# Altium PCB Science.PcbDoc (part 1 of 2) (continued)
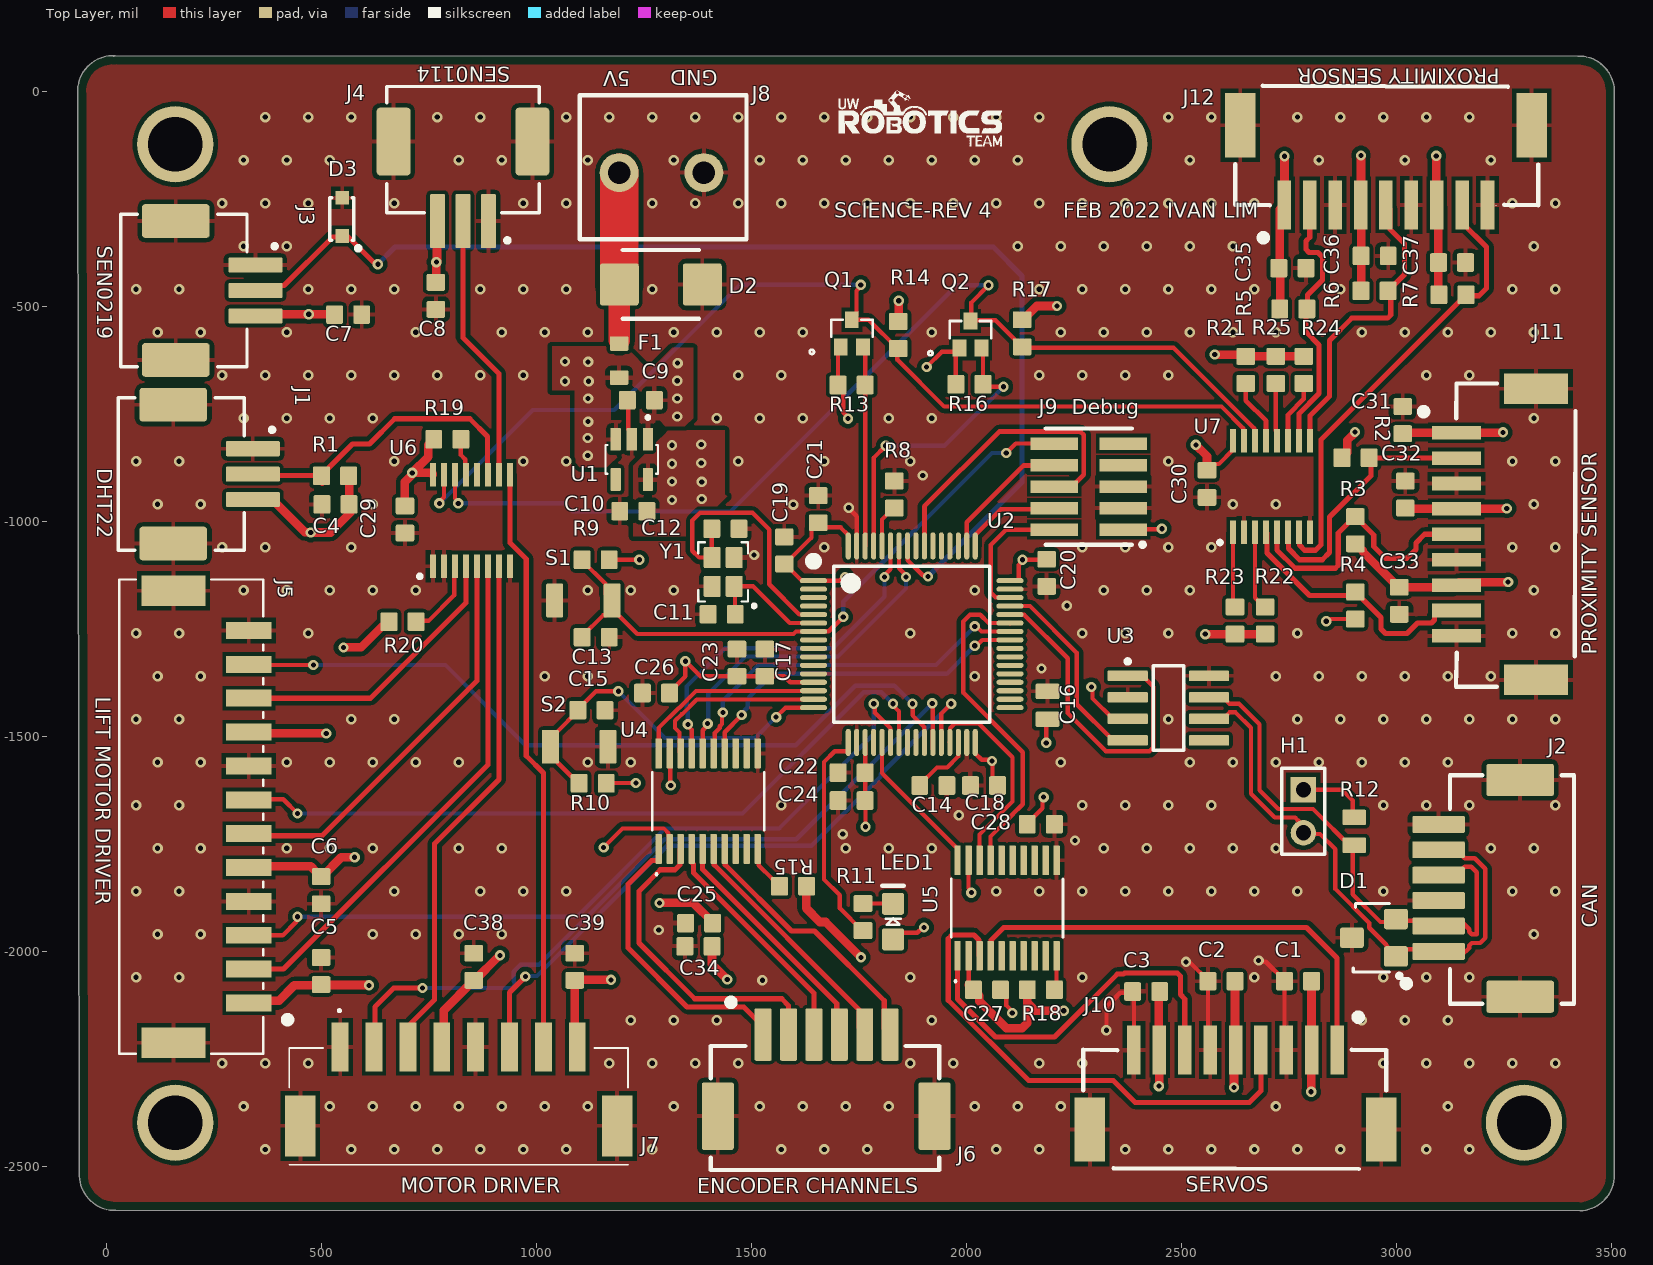
[diagram p0: Top Layer view]
## Classes and differential pairs
component class "SH5 - GPIO Expander": C29 C30 R19 R20 R21 R22 R23 R24 R25 U6 U7
component class "SH4 - Level Shifter": C25 C26 C27 C28 Q1 Q2 R13 R14 R15 R16 R17 R18 U4 U5
component class "SH3 - MCU": C11 C12 C13 C14 C15 C17 C18 C19 C20 C21 C22 C23 C24 J9 R8 R9 R10 S1 S2 U2 Y1
component class "SH1 - POWER, CAN, LED": C9 C10 C16 D2 F1 H1 J8 LED1 Power R11 R12 U1 U3
component class "SH2 - CONNECTORS": C1 C2 C3 C4 C5 C6 C7 C8 C31 C32 C33 C34 C35 C36 C37 C38 C39 D1 D3 J1 J2 J3 J4 J5 J6 J7 J10 J11 J12 R1 R2 R3 R4 R5 R6 R7
differential pair CANA: +CANA_P -CANA_N

## Components (designator, comment, footprint, x,y, rotation, side; value= is the part's Value field where it differs from the comment)
C1 "CAP_0.1uF_16V_0603" CAP0603 2771.5,-2069 r0 top value=0.1μF
C2 "CAP_0.1uF_16V_0603" CAP0603 2593.5,-2069 r0 top value=0.1μF
C3 "CAP_0.1uF_16V_0603" CAP0603 2418.5,-2093 r0 top value=0.1μF
C4 "CAP_0.1uF_16V_0603" CAP0603 533.62,-960.3 r0 top value=0.1μF
C5 "CAP_0.1uF_16V_0603" CAP0603 500,-2045.5 r270 top value=0.1μF
C6 "CAP_0.1uF_16V_0603" CAP0603 500,-1857.5 r90 top value=0.1μF
C7 "CAP_0.1uF_16V_0603" CAP0603 563,-519 r180 top value=0.1μF
C8 "CAP_0.1uF_16V_0603" CAP0603 767,-475.5 r90 top value=0.1μF
C9 "CAP_1uF_16V_0603" CAP0603 1243.5,-718 r0 top value=1μF
C10 "CAP_1uF_16V_0603" CAP0603 1226,-976 r0 top value=1μF
C11 "CAP_14pF_50V_0603" CAP0603 1431.5,-1216 r0 top value=14pF
C12 "CAP_14pF_50V_0603" CAP0603 1440,-1017 r180 top value=14pF
C13 "CAP_1uF_16V_0603" CAP0603 1138.5,-1269 r180 top value=1μF
C14 "CAP_4.7uF_16V_0603" CAP0603 1923.5,-1614 r180 top value=4.7μF
C15 "CAP_1uF_16V_0603" CAP0603 1128.5,-1439 r180 top value=1μF
C16 "CAP_0.1uF_50V_0805" CAP0805 2189,-1427.48 r90 top value=0.1μF
C17 "CAP_1uF_16V_0603" CAP0603 1532,-1328.5 r270 top value=1μF
C18 "CAP_0.1uF_16V_0603" CAP0603 2041.5,-1614 r0 top value=0.1μF
C19 "CAP_0.1uF_16V_0603" CAP0603 1577,-1067.5 r270 top value=0.1μF
C20 "CAP_0.1uF_16V_0603" CAP0603 2187,-1119.5 r90 top value=0.1μF
C21 "CAP_0.1uF_16V_0603" CAP0603 1656,-971.5 r270 top value=0.1μF
C22 "CAP_4.7uF_16V_0603" CAP0603 1733.5,-1584 r0 top value=4.7μF
C23 "CAP_10nF_0603" CAP0603 1467,-1328.5 r270 top value=10nF
C24 "CAP_0.1uF_16V_0603" CAP0603 1733.5,-1649 r0 top value=0.1μF
C25 "CAP_0.1uF_16V_0603" CAP0603 1379,-1934 r0 top value=0.1μF
C26 "CAP_0.1uF_16V_0603" CAP0603 1278.5,-1399 r180 top value=0.1μF
C27 "CAP_0.1uF_16V_0603" CAP0603 2048.5,-2089 r180 top value=0.1μF
C28 "CAP_0.1uF_16V_0603" CAP0603 2173.5,-1704 r0 top value=0.1μF
C29 "CAP_0.1uF_16V_0603" CAP0603 695,-995.5 r90 top value=0.1μF
C30 "CAP_0.1uF_16V_0603" CAP0603 2560,-912.5 r90 top value=0.1μF
C31 "CAP_0.1uF_16V_0603" CAP0603 3015,-764.5 r270 top value=0.1μF
C32 "CAP_0.1uF_16V_0603" CAP0603 3021,-937.5 r270 top value=0.1μF
C33 "CAP_0.1uF_16V_0603" CAP0603 3007,-1184.5 r90 top value=0.1μF
C34 "CAP_0.1uF_16V_0603" CAP0603 1377.46,-1988 r0 top value=0.1μF
C35 "CAP_0.1uF_16V_0603" CAP0603 2758.5,-411 r180 top value=0.1μF
C36 "CAP_0.1uF_16V_0603" CAP0603 2949.87,-382.68 r180 top value=0.1μF
C37 "CAP_0.1uF_16V_0603" CAP0603 3129.5,-398 r180 top value=0.1μF
C38 "CAP_0.1uF_16V_0603" CAP0603 855,-2035.5 r270 top value=0.1μF
C39 "CAP_0.1uF_16V_0603" CAP0603 1090,-2035.5 r270 top value=0.1μF
D1 "TVS_DIODE_CAN" TVS_DIODE_CAN 2948,-1968 r180 top
D2 "TVS_DIODE_BIDIR_5V" TVS_DIODE_BIDIR_SMB 1290,-449 r0 top
D3 "DIO_ZENER_3V3" DIO_ZENER_3V3 549,-292 r270 top
F1 "FUSE_3A_0603" FUSE_0603 1193,-626 r270 top
H1 "JUMPER" HDR1X2 2784,-1624 r270 top
J1 "CON_3M_SM_RA" MOLEX-5025850370 175,-890 r270 top
J2 "CON_6M_SM_RA_1.5mm" MOLEX-5025850670 3098.24,-1999.68 r270 top
J3 "CON_3M_SM_RA" MOLEX-5025850370 181,-463 r270 top
J4 "CON_3M_SM_RA" MOLEX-5025850370 830,-135.42 r180 top
J5 "CON_12M_SM_RA_2mm" MOLEX-5024941270 327,-2118.52 r90 top
J6 "CON_6M_SM_RA_1.5mm" MOLEX-5025850670 1527.83,-2193 r180 top
J7 "CON_8M_SM_RA" 5024430870 820,-2360 r0 top
J8 "CON_2POS_SCREW_TERM" 1935161 1291.57,-189 r180 top
J9 "CON_PROGRAMMING" FTSH-105-01-F-DV-K-P-TR 2285,-919 r90 top
J10 "CON_9M_SM_RA" Molex-5025850970 2862.52,-2229 r180 top
J11 "CON_9M_SM_RA" Molex-5025850970 3140,-793.72 r270 top
J12 "CON_9M_SM_RA" Molex-5025850970 2739.72,-264 r0 top
LED1 "LED_GREEN" LED_0805_GREEN 1830,-1930.34 r90 top
Q1 "NMOS_60V_280mA" SOT-323 1734.41,-562.5 r0 top
Q2 "NMOS_60V_280mA" SOT-323 2010,-565.5 r0 top
R1 "RES_10kΩ_0603_5%" RES0603 501,-894 r0 top value=10kΩ
R2 "RES_10kΩ_0603_5%" RES0603 2937,-852 r180 top value=10kΩ
R3 "RES_10kΩ_0603_5%" RES0603 2905,-989 r270 top value=10kΩ
R4 "RES_10kΩ_0603_5%" RES0603 2905,-1164 r270 top value=10kΩ
R5 "RES_10kΩ_0603_5%" RES0603 2792,-506 r180 top value=10kΩ
R6 "RES_10kΩ_0603_5%" RES0603 2981,-464 r180 top value=10kΩ
R7 "RES_10kΩ_0603_5%" RES0603 3161.99,-473 r180 top value=10kΩ
R8 "RES_1kΩ_0603_5%" RES0603 1833,-969 r90 top value=1kΩ
R9 "RES_10kΩ_0603_5%" RES0603 1107.01,-1089 r0 top value=10kΩ
R10 "RES_10kΩ_0603_5%" RES0603 1100,-1609 r0 top value=10kΩ
R11 "RES_100Ω_0603_1%" RES0603 1760,-1888.29 r270 top value=100Ω
R12 "RES_120Ω_0805_1%" RES0805 2902,-1720.52 r90 top value=120Ω
R13 "RES_10kΩ_0603_5%" RES0603 1765.08,-682.73 r180 top value=10kΩ
R14 "RES_10kΩ_0603_5%" RES0603 1842,-597.99 r90 top value=10kΩ
R15 "RES_10kΩ_0603_5%" RES0603 1628.99,-1848 r180 top value=10kΩ
R16 "RES_10kΩ_0603_5%" RES0603 2038.99,-681 r180 top value=10kΩ
R17 "RES_10kΩ_0603_5%" RES0603 2130,-594 r90 top value=10kΩ
R18 "RES_10kΩ_0603_5%" RES0603 2142.01,-2089 r0 top value=10kΩ
R19 "RES_10kΩ_0603_5%" RES0603 762.01,-809 r0 top value=10kΩ
R20 "RES_10kΩ_0603_5%" RES0603 658.01,-1233 r0 top value=10kΩ
R21 "RES_10kΩ_0603_5%" RES0603 2650,-616.01 r270 top value=10kΩ
R22 "RES_10kΩ_0603_5%" RES0603 2695,-1261.99 r90 top value=10kΩ
R23 "RES_10kΩ_0603_5%" RES0603 2625,-1261.99 r90 top value=10kΩ
R24 "RES_10kΩ_0603_5%" RES0603 2785,-679 r90 top value=10kΩ
R25 "RES_10kΩ_0603_5%" RES0603 2720,-679 r90 top value=10kΩ
S1 "SW_TACTILE" B3U-1000P 1110,-1184 r180 top
S2 "SW_TACTILE" B3U-1000P 1100,-1524 r180 top
U1 "LDO_3.3V_700mA" SOT95P285X140-5N 1222.4,-855.65 r270 top
U2 "STM32F446RET6" STM-LQFP64_L 1873.35,-1285.42 r0 top
U3 "IC_CAN_TRANSCEIVER" LT-S8_N 2470,-1434 r0 top
U4 "IC_LVL_SHIFTER_8_CH" LEVEL_SHIFTER_8_CHANNEL 1400.02,-1650.5 r90 top
U5 "IC_LVL_SHIFTER_8_CH" LEVEL_SHIFTER_8_CHANNEL 2095,-1899 r90 top
U6 "8 Channel I2C GPIO Expander" TSSOP16 849.57,-997.7 r0 top
U7 "8 Channel I2C GPIO Expander" TSSOP16 2710,-919 r0 top
Y1 "CRYSTAL_25MHZ" SOIC254P1016X440-4N 1434.96,-1117.46 r90 top

## Footprints (in the part's own frame and the unit in brackets; to place one, negate y for a bottom-side part, rotate by r counter-clockwise, add the part's x,y. Pads: shape width x height; smd on the part's side, far side on the other; paste and mask are expansions set on the pad)
1935161 [mm] "TERM BLK 2POS SIDE ENTRY 5MM PCB"
  round 2.3 hole 1.325: 1(-2.5,0) 2(2.5,0)
  silkscreen extent -5.01,-4.57 4.83,3.94, body extent -5.01,-5.06 5.39,3.94, height 11.41
5024430870 [mm]
  rect 1.8x3.6 smd: 0(-9.35,-1.15) 0(9.35,-1.15)
  rect 1x2.9 smd: 1(7,3.5) 2(5,3.5) 3(3,3.5) 4(1,3.5) 5(-1,3.5) 6(-3,3.5) 7(-5,3.5) 8(-7,3.5)
  silkscreen extent -10,-3.45 10,5.7, body extent -10.07,-3.45 10.07,4.85, height 7.8
B3U-1000P [mm] "TACTILE SWITCH GREY"
  rrect15% 1x2 smd: 1(-1.7,0) 2(1.7,0)
  body extent -2,-1.25 2,1.25, height 1.6
CAP0603 [mm]
  rrect20% 1x1.1 smd: 1(-0.8,0) 2(0.8,0)
  body extent -0.87,-0.48 0.88,0.48, height 0.87
CAP0805 [mm] "Chip Capacitor, Body 2.0x1.2mm, Height 0.45mm, IPC Medium Density"
  rrect15% 0.9x1.4 smd: 1(-0.825,0) 2(0.825,0)
  body extent -1.1,-0.73 1.1,0.73, height 1.39
DIO_ZENER_3V3 [mm] "DIODE ZENER 3.3V 200MW SOD323F"
  rect 0.8x0.8 smd: 1(-1.125,0) 2(1.125,0)
  silkscreen extent -1.13,-0.72 1.97,1.08, body extent -1.13,-0.62 1.37,0.63, height 0.91
FTSH-105-01-F-DV-K-P-TR [mil] "Samtec programming header 10 positions"
  rect 29x110 smd mask+2: 1(-100,-80) 2(-100,80) 3(-50,-80) 4(-50,80) 5(0,-80) 6(0,80) 7(50,-80) 8(50,80) 9(100,-80) 10(100,80)
  silkscreen extent -140,-130 135,100, body extent -125,-175 125,115, height 276
FUSE_0603 [mm] "Chip Fuse, Body 1.6x0.81mm"
  rrect15% 0.85x1.09 smd: 1(-1.005,0) 2(1.005,0)
  body extent -0.8,-0.38 0.8,0.38, height 0.75
HDR1X2 [mm] "Connector; Header; 2 Position"
  rect 1.5x1.5 hole 0.9: 1(0,0)
  round 1.5 hole 0.9: 2(2.54,0)
  silkscreen extent -1.27,-1.27 3.81,1.27, body extent -1.27,-1.27 3.81,1.27, height 6.35
LED_0805_GREEN [mm] "SMD, 2-Leads, Body 2x1.25mm"
  rrect20% 1.3x1.3 smd: 1(-1.05,0) 2(1.05,0)
  silkscreen extent -0.18,-0.63 2.11,0.64, body extent -1,-0.62 1,0.63, height 1.12
LEVEL_SHIFTER_8_CHANNEL [mm]
  rrect15% 1.75x0.38 smd: 1(-2.819,2.925) 2(-2.819,2.275) 3(-2.819,1.625) 4(-2.819,0.975) 5(-2.819,0.325) 6(-2.819,-0.325) 7(-2.819,-0.975) 8(-2.819,-1.625) 9(-2.819,-2.275) 10(-2.819,-2.925) 11(2.819,-2.925) 12(2.819,-2.275) 13(2.819,-1.625) 14(2.819,-0.975) 15(2.819,-0.325) 16(2.819,0.325) 17(2.819,0.975) 18(2.819,1.625) 19(2.819,2.275) 20(2.819,2.925)
  silkscreen extent -4.32,-3.3 1.71,3.3, body extent -3.3,-3.3 3.3,3.3, height 1.2
LT-S8_N [mm] "SOP, 8-Leads, Body 4.9x3.9mm, Pitch 1.27mm, IPC Medium Density"
  rrect20% 2.375x0.625 smd: 1(-2.4,1.905) 2(-2.4,0.635) 3(-2.4,-0.635) 4(-2.4,-1.905) 5(2.4,-1.905) 6(2.4,-0.635) 7(2.4,0.635) 8(2.4,1.905)
  silkscreen extent -2.52,-2.5 0.9,2.88, body extent -2.91,-2.4 2.87,2.5, height 1.45
MOLEX-5024941270 [mm]
  rect 1.8x3.8 smd paste+0 mask+0.076: 0(-2.379,4.323) 0(24.321,4.323)
  rect 1x2.7 smd paste+0 mask+0.076: 1(-0.029,-0.127) 2(1.971,-0.127) 3(3.971,-0.127) 4(5.971,-0.127) 5(7.971,-0.127) 6(9.971,-0.127) 7(11.971,-0.127) 8(13.971,-0.127) 9(15.971,-0.127) 10(17.971,-0.127) 11(19.971,-0.127) 12(21.971,-0.127)
  silkscreen extent -3.03,-2.61 24.97,7.52, body extent -3,-0.9 25,7.6, height 6.76
MOLEX-5025850370 [mm]
  rrect20% 2x4 smd paste+0 mask+0: 0(-4.1,-0.475) 0(4.1,-0.475)
  rrect20% 0.9x3.2 smd paste+0 mask+0: 1(-1.5,4.225) 2(0,4.225) 3(1.5,4.225)
  silkscreen extent -4.5,-3.72 4.5,5.48, body extent -4.4,-3.67 4.4,4.83, height 6.4
MOLEX-5025850670 [mm]
  rrect15% 1.9x4 smd: 0(-10.125,4.82) 0(2.675,4.82)
  rrect15% 1x3.1 smd: 1(0,0) 2(-1.5,0) 3(-3,0) 4(-4.5,0) 5(-6,0) 6(-7.5,0)
  silkscreen extent -10.4,-2.1 3.1,8, body extent -10.25,-0.62 3.05,7.88, height 6.41
Molex-5025850970 [mm]
  rect 1.8x3.8 smd: 0(-2.6,4.7) 0(14.6,4.7)
  rect 0.8x2.9 smd: 1(0,0) 2(1.5,0) 3(3,0) 4(4.5,0) 5(6,0) 6(7.5,0) 7(9,0) 8(10.5,0) 9(12,0)
  silkscreen extent -2.9,-2.14 15,7.03, body extent -2.9,-1.26 14.9,7.24, height 5.8
RES0603 [mm] "Chip Resistor, Body 1.6x0.8mm, IPC Medium Density"
  rrect15% 1x1.1 smd: 1(0,0) 2(1.6,0)
  body extent 0,-0.4 1.6,0.4, height 0.46
RES0805 [mm] "Chip Resistor, 2-Leads, Body 2.00x1.25mm, IPC High Density"
  rrect15% 0.9x1.4 smd: 1(-0.825,0) 2(0.825,0)
  body extent -1,-0.62 1,0.63, height 0.61
SOIC254P1016X440-4N [mm]
  rrect15% 1.25x1 smd: 1(-0.85,-0.65) 2(0.85,-0.65) 3(0.85,0.65) 4(-0.85,0.65)
  silkscreen extent -2.11,-1.93 1.75,1.47, body extent -1.24,-0.85 1.24,0.85, height 0.56
SOT95P285X140-5N [mm] "AP2112K-3.3TRG1 LDO"
  rrect15% 1.35x0.6 smd: 1(-1.185,0.95) 2(-1.185,0) 3(-1.185,-0.95) 4(1.185,-0.95) 5(1.185,0.95)
  silkscreen extent -2.57,-1.55 0.85,1.55, body extent -1.4,-1.5 1.4,1.5, height 1.4
SOT-323 [mm]
  rect 0.8x1 smd paste+0 mask+0.1: 1(-0.65,-0.8) 2(0.65,-0.8) 3(0,0.8)
  silkscreen extent -2.5,-1.23 1.23,0.8, body extent -1.1,-1.1 1.1,1.1, height 1
STM-LQFP64_L [mm] "QFP, 64-Leads, Body 10x10mm, Pitch 0.5mm, IPC High Density"
  oval 1.6x0.3 smd: 1(-5.8,3.75) 2(-5.8,3.25) 3(-5.8,2.75) 4(-5.8,2.25) 5(-5.8,1.75) 6(-5.8,1.25) 7(-5.8,0.75) 8(-5.8,0.25) 9(-5.8,-0.25) 10(-5.8,-0.75) 11(-5.8,-1.25) 12(-5.8,-1.75) 13(-5.8,-2.25) 14(-5.8,-2.75) 15(-5.8,-3.25) 16(-5.8,-3.75) 33(5.8,-3.75) 34(5.8,-3.25) 35(5.8,-2.75) 36(5.8,-2.25) 37(5.8,-1.75) 38(5.8,-1.25) 39(5.8,-0.75) 40(5.8,-0.25) 41(5.8,0.25) 42(5.8,0.75) 43(5.8,1.25) 44(5.8,1.75) 45(5.8,2.25) 46(5.8,2.75) 47(5.8,3.25) 48(5.8,3.75)
  oval 0.3x1.6 smd: 17(-3.75,-5.8) 18(-3.25,-5.8) 19(-2.75,-5.8) 20(-2.25,-5.8) 21(-1.75,-5.8) 22(-1.25,-5.8) 23(-0.75,-5.8) 24(-0.25,-5.8) 25(0.25,-5.8) 26(0.75,-5.8) 27(1.25,-5.8) 28(1.75,-5.8) 29(2.25,-5.8) 30(2.75,-5.8) 31(3.25,-5.8) 32(3.75,-5.8) 49(3.75,5.8) 50(3.25,5.8) 51(2.75,5.8) 52(2.25,5.8) 53(1.75,5.8) 54(1.25,5.8) 55(0.75,5.8) 56(0.25,5.8) 57(-0.25,5.8) 58(-0.75,5.8) 59(-1.25,5.8) 60(-1.75,5.8) 61(-2.25,5.8) 62(-2.75,5.8) 63(-3.25,5.8) 64(-3.75,5.8)
  silkscreen extent -5.92,-4.6 4.6,5.02, body extent -5.98,-6 6.02,6, height 1.56
TSSOP16 [mm]
  rect 0.35x1.4 smd: 1(-2.275,-2.7) 2(-1.625,-2.7) 3(-0.975,-2.7) 4(-0.325,-2.7) 5(0.325,-2.7) 6(0.975,-2.7) 7(1.625,-2.7) 8(2.275,-2.7) 9(2.275,2.7) 10(1.625,2.7) 11(0.975,2.7) 12(0.325,2.7) 13(-0.325,2.7) 14(-0.975,2.7) 15(-1.625,2.7) 16(-2.275,2.7)
  silkscreen extent -3.15,-3.4 -2.95,-3.2, body extent -2.5,-3.2 2.5,3.2, height 1.1
TVS_DIODE_BIDIR_SMB [mm] "DO-214AA, SMB"
  rrect15% 2.3x2.5 smd: 1(-2.45,0) 2(2.45,0)
  silkscreen extent -2.25,-2.03 2.25,2.03, body extent -2.7,-1.8 2.7,1.8, height 2.27
TVS_DIODE_CAN [mm] "SOT23, 3-Leads, Body 2.95x2.80mm, Pitch 0.95mm, IPC Low Density"
  rrect20% 1.4x1.2 smd: 1(-1.3,1.1) 2(-1.3,-1.1) 3(1.3,0)
  silkscreen extent -1.63,-2.02 1.22,2.37, body extent -1.4,-1.45 1.4,1.45, height 1.3

## Part data
C1 C2 C3 C4 C5 C6 C7 C8 C18 C19 C20 C21 C24 C25 C26 C27 C28 C29 C30 C31 C32 C33 C34 C35 C36 C37 C38 C39: "CAP CER 0.1UF 16V X7R 0603", Dielectric=X7R, Manufacturer 1=Yageo, Manufacturer Part Number 1=CC0603KRX7R7BB104, Package=0603, Supplier Part Number 1=311-1088-1-ND, Voltage Rating=16V, Supplier 1=Digi-Key
C9 C10 C13 C15 C17: "CAP CER 1UF 16V Y5V 0603", Dielectric=Y5V, Manufacturer 1=Yageo, Manufacturer Part Number 1=CC0603ZRY5V7BB105, Package=0603, Supplier Part Number 1=311-1372-1-ND, Voltage Rating=16V, Mounting Type=SMD, Supplier 1=Digi-Key
C11 C12: "CAP CER 14PF 50V C0G/NP0 0603", Dielectric=C0G, Manufacturer 1=Samsung, Manufacturer Part Number 1=CL10C140JB8NNNC, Package=0603, Supplier Part Number 1=1276-2187-1-ND, Voltage Rating=50V, Mounting Type=SMD, Supplier 1=Digi-Key
C14 C22: "CAP CER 4.7UF 16V X6S 0603", Dielectric=X6S, Manufacturer 1="Murata Electronics", Manufacturer Part Number 1=GRM188C81C475KE11D, Package=0603, Supplier Part Number 1=490-13362-1-ND, Voltage Rating=16V, Mounting Type=SMD, Supplier 1=Digi-Key
C16: "CAP CER 0.1UF 50V X7R 0805", Dielectric=X7R, LCSC Part #=C49678, Manufacturer 1="Murata Electronics", Manufacturer Part Number 1=GCM21BR71H104KA37K, Package/Footprint=0805, Supplier Part Number 1=490-8049-1-ND, Voltage Rating=50V, Mounting Type=SMD, Supplier 1=Digi-Key
C23: "CAP CER 10000PF 16V X7R 0603", Dielectric=X7R, Manufacturer 1=Yageo, Manufacturer Part Number 1=CC0603KRX7R7BB103, Package/Footprint=0603, Supplier Part Number 1=311-3369-1-ND, Voltage Rating=16V, Mounting Type=SMD, Supplier 1=Digi-Key
D1: "TVS DIODE 24V 41V SOT323-3", Manufacturer 1="Nexperia USA Inc.", Manufacturer Part Number 1=PESD2CAN,215, Package/Footprint=SOT323-3, Supplier Part Number 1=1727-3891-1-ND, Voltage - Breakdown (Min)=26.2V, Voltage - Clamping (Max) @ Ipp=41V, Voltage - Reverse Standoff (Typ)=24V, Mounting Type=SMD, Supplier 1=Digi-Key, Verified=Yes
D2: "TVS DIODE 5V 9.2V SMB", Manufacturer 1=Littelfuse, Manufacturer Part Number 1=SMBJ5.0CA, Package/Footprint=SMB, Supplier Part Number 1=SMBJ5.0CALFCT-ND, Voltage - Breakdown (Min)=6.4V, Voltage - Clamping (Max) @ Ipp=9.2V, Voltage - Reverse Standoff (Typ)=5V, Mounting Type=SMD, Supplier 1=Digi-Key, Verified=No
D3: "DIODE ZENER 3.3V 200mW SOD323F", Forward Voltage=1V, Manufacturer 1="ON Semiconductor / Fairchild", Manufacturer Part Number 1=MM3Z3V3B, Package/Case=SOD323F, Supplier Part Number 1=MM3Z3V3BCT-ND, Working Voltage=3.3V, Supplier 1=Digi-Key
F1: "FUSE SMD 3A 32V 0603", Current Rating=3A, Manufacturer 1=Littelfuse, Manufacturer Part Number 1=0467003.NR, Supplier Part Number 1=F1399CT-ND, Voltage Rating (DC)=32V, Supplier 1=Digi-Key
H1: "HEADER 2X1", Manufacturer 1="Harwin Inc.", Manufacturer Part Number 1=M20-9990246, Package/Footprint=TH, Supplier Part Number 1=952-2262-ND, Mounting Type=TH, Supplier 1=Digi-Key
J1 J3 J4: "CONN RCPT 3POS 0.059 TIN SMD R/A", Current Rating=2A, Manufacturer 1=Molex, Manufacturer Part Number 1=5025850370, Package/Footprint=SMD, Supplier Part Number 1=WM12831CT-ND, Voltage Rating=100V, Family=CLIK-Mate, Mounting Type=SMD, Orientation="Right Angle", Pitch=1.5mm, Supplier 1=Digi-Key
J2 J6: "CONN HEADER SMD RIGHT ANGLE 1.5 MM PITCH", Manufacturer 1=Molex, Manufacturer Part Number 1=5025850670, Package/Footprint=SMD, Supplier Part Number 1=WM12832CT-ND, Family=CLIK-Mate, Mounting Type=SMD, Supplier 1=Digi-Key
J5: "2.00mm Pitch CLIK-Mate Wire-to-Board PCB Receptacle, Single Row, Right-Angle, 12 Circuits", Color=Natural,White, Contact Resistance=20mR, Current Rating=3A, Flammability Rating="UL94 V-0", Housing Color=Natural, Insulation Resistance=1GR, Manufacturer=Molex, Manufacturer Part Number=502494-1270, Max Operating Temperature=85°C, Max Voltage Rating (AC)=250V, Min Operating Temperature=-25°C, Package Quantity=950, Category="Headers and Wire Housings", Connector Type=Receptacle, Contact Gender=Female, Contact Material="Copper Alloy", Contact Plating=Tin, Contact Type="Center Strip Contact", Depth=6.85mm, Family=CLIK-Mate, Fastening Type=Latch, Gender=Receptacle, Glow Wire Compliant=Non-compliant, Housing Material=PBT, Lead Pitch=2mm, Length=28mm, Material=Polybutylene, Mating Cycles=30, Max Voltage Rating (DC)=250V, Mount="Surface Mount", Number of Circuits=12, Number of Contacts=12, Number of Positions=12, Number of Rows=1, Orientation="Right Angle", Packaging="Tape and Reel", Pitch=2mm, Pricing 1="950=0.62780, 1900=0.61060, 3800=0.56580, 5700=0.53600, 7600=0.52000 (USD)", Radiation Hardening=No, REACH SVHC=Unknown, RoHS=Yes, Series=502494, Stock 1=1900, Supplier 1=Mouser, Supplier Part Number 1=502494-1270, Termination=Solder, Voltage Rating (AC)=250V
J7: library part CON_8M_SM, "CONN HEADER SMD VERTICAL 2 MM PITCH", Current Rating=3A, Package/Footprint=SMD, Supplier Part Number 1=WM14471CT-ND, Voltage Rating=250V, Family=CLIK-Mate, Mounting Type=SMD, Orientation="Right Angle", Pitch=1.5mm, Supplier 1=Digi-Key
J8: "TERM BLK 2POS SIDE ENTRY 5MM", Manufacturer 1="Phoenix Contact", Manufacturer Part Number 1=1935161, Package/Footprint=SMD, Supplier Part Number 1=277-1667-ND, Mounting Type=TH, Supplier 1=Digi-Key
J9: "CONN HEADER SMD 10POS 1.27MM", Manufacturer 1=Samtec, Manufacturer Part Number 1=FTSH-105-01-F-DV-K, Supplier Part Number 1=SAM8796-ND, Mounting Type=SMD, Pitch=1.27mm, Supplier 1=Digi-Key
J10 J11 J12: "CONN RCPT 9POS CLIK-MATE 0.059 TIN SMD R/A", Current Rating=2A, Supplier Part Number 1=WM20816CT-ND, Family=CLIK-Mate, Orientation="Right Angle", Pitch=1.5mm, Supplier 1=Digi-Key
LED1: "LED GREEN DIFFUSED 0805 SMD", Forward Voltage Drop=2.2V, Manufacturer 1=OSRAM, Manufacturer Part Number 1="LG R971-KN-1", Package/Footprint=0805, Supplier Part Number 1=475-1410-1-ND, Mounting Type=SMD, Supplier 1=Digi-Key
Q1 Q2: "MOSFET N-CH 60V 280MA SOT323-3", Manufacturer 1="Infineon Technologies", Manufacturer Part Number 1=BSS138WH6327XTSA1, Power Dissipation (Max)=500mW, Supplier Device Package=SOT-323, Supplier Part Number 1=BSS138WH6327XTSA1CT-ND, FET Type=N-Channel, Id=280mA, Supplier 1=Digi-Key, Vdss=60V, Vgs (Max)=20V
R1 R2 R3 R4 R5 R6 R7 R9 R10 R13 R14 R15 R16 R17 R18 R19 R20 R21 R22 R23 R24 R25: "RES 10K OHM 5% 1/10W 0603", Manufacturer 1=Yageo, Manufacturer Part Number 1=RC0603JR-0710KL, Package=0603, Supplier Part Number 1=311-10KGRCT-ND, Mounting Type=SMD, Supplier 1=Digi-Key
R8: "RES 1K OHM 5% 1/10W 0603", Manufacturer 1=Yageo, Manufacturer Part Number 1=RC0603JR-071KL, Package=0603, Supplier Part Number 1=311-1.0KGRCT-ND, Mounting Type=SMD, Supplier 1=Digi-Key
R11: "RES 100 OHM 1% 1/10W 0603", Manufacturer 1=Yageo, Manufacturer Part Number 1=RC0603FR-07100RL, Supplier Part Number 1=311-100HRCT-ND, Supplier 1=Digi-Key
R12: "RES 120 OHM 1% 1/8W 0805", LCSC Part #=C17437, Manufacturer 1=Vishay, Manufacturer Part Number 1=CRCW0805120RFKEA, Package/Footprint=0805, Supplier Part Number 1=541-120CCT-ND, Mounting Type=SMD, Supplier 1=Digi-Key
S1 S2: "SWITCH TACTILE SPST-NO 0.05A 12V", Manufacturer 1="Omron Electronics Inc-EMC Div", Manufacturer Part Number 1=B3U-1000P, Package/Footprint=SMD, Supplier Part Number 1=SW1020CT-ND, Mounting Type=SMD, Supplier 1=Digi-Key
U1: "IC REG LINEAR 3.3V 700MA SOT25", Input Voltage (Max)=6V, Manufacturer 1="Diodes Incorporated", Manufacturer Part Number 1=XC6210B332MR-G, Operating Temperature="-40°C - 85°C", Output Current=700mA, Output Voltage (Fixed)=3.3V, Package/Footprint=SOT-25, Supplier Part Number 1=893-1075-1-ND, Voltage Dropout (Max)=0.075V, Mounting Type=SMD, Supplier 1=Digi-Key
U2: library part MCU_STM32F446RET6, "ARM Cortex-M4 32-bit MCU+FPU, 512 KB Flash, 128 KB Internal RAM, 50 I/Os, 64-Pin LQFP, -40 to 85 degC, Tray", I/Os (High Current)=50, Operating Frequency(F) (Processor speed) (MHz)=180, Package Description=LQFP64, Package Reference="64-Pin Low-profile Quad Flat Package, Body 10 x 10 mm, Pitch 0.5 mm", Supplier Part Number 1=497-15376-ND, Supply Voltage(Vcc) min (V)=1.7, ComponentLink1Description="Manufacturer URL", ComponentLink1URL=http://www.st.com/, ComponentLink2Description=Datasheet, ComponentLink2URL=http://www.st.com/st-web-ui/static/active/en/resource/technical/document/datasheet/DM00141306.pdf, Core="ARM Cortex-M4", D/A Converter=2, DatasheetVersion="Rev. 6", FLASH Size (Prog) (kB)=512, Internal RAM Size (kB)=128, Mounting Technology="Surface Mount", Packing=Tray, Supplier 1=Digi-Key
U3: "IC TXRX CAN 4MBPS 8SO", LCSC Part #=C117076, Manufacturer 1="Linear Technologies", Manufacturer Part Number 1=LTC2875IS8#PBF, Package/Footprint=8-SOIC, Supplier Part Number 1=LTC2875IS8#PBF-ND, Mounting Type=SMD, Supplier 1=Digi-Key
U4 U5: library part IC_LVL_SHIFTER_8_CH_NEXPERIA, "IC BIDIRECTIONAL LEVEL SHIFTER 8 CHANNEL 20TSSOP NEXPERIA", Manufacturer 1="Nexperia USA Inc.", Manufacturer Part Number 1=NXB0108PWJ, Package/Footprint=20-TSSOP, Supplier Part Number 1=1727-NXB0108PWJDKR-ND, Mounting Type=SMD, Supplier 1=Digi-Key
U6 U7: library part "IC_GPIO_I2C_EXPANDER 8CH 16TSSOP", Clock Frequency="400 kHz", Current - Output Source/Sink="10mA, 25mA", Manufacturer="NXP USA Inc.", Operating Temperature="-40°C ~ 85°C", Package / Case=16-TSSOP, Supplier Part Number 1=568-9924-1-ND, Voltage - Supply="1.65V ~ 5.5V", Supplier 1=Digi-Key
Y1: "CRYSTAL 25.0000MHZ 12PF SMD", Frequency=25MHz, Load Capacitance=12pF, Manufacturer 1="Kyocera AVX", Manufacturer Part Number 1=CX2520DB25000H0FLJC1, Package/Footprint=SMD, Supplier Part Number 1=1253-1724-1-ND, Mounting Type=SMD, Supplier 1=Digi-Key

## Free pads (board coordinates)
  round 177.16 / inner round 177.16 / far side round 236.22 hole 125.98 mask+11.81: 0(161,-2398) 0(161,-123) 0(2333,-123) 0(3297,-2398)

## Via types
v1: diameter 24, hole 12, Top Layer to Bottom Layer, 357 vias
v2: diameter 24, hole 12, Top Layer to Bottom Layer, tented both sides, 109 vias

## Nets (pads, with @x,y where several pads share a name; then routed paths per layer and width w, separated by ;. In a path a pad name is that pad's centre, name@x,y a point inside that pad or via, vN(x,y) a via of type N, cw(c..) or ccw(c..) an arc to the next point about the centre after c; other vN are vias at no path point)
3V3: C10.2 C16.1 C17.2 C18.2 C19.2 C20.2 C21.2 C22.2 C23.2 C24.2 C26.1 C28.1 J9.1 LED1.1 Q1.1 Q2.1 R9.2 R10.2 R13.2 R16.2 U1.5 U2.1 U2.13 U2.19 U2.32 U2.48 U2.64 U3.3 U4.19 U5.19 | length 2391.2
  Top Layer w10: R10.2@1162.99,-1609 1163.99,-1608 v2(1232,-1608) ; R9.2@1170,-1089 v2(1240,-1089) ; C26.1@1310,-1399 1310,-1397.03 1347,-1360.03 v2(1347,-1325) 1381.99,-1359.99 C17.2@1532,-1359.99 1576.78,-1359.99 1590.79,-1374 U2.13@1645,-1374 ; U4.19@1310.46,-1539.5 1311.73,-1540.77 1311.73,-1612.73 v2(1313,-1614) ; C19.2@1577,-1098.99 C19.2@1578.97,-1098.99 ; U2.1@1617.41,-1137.78 1705.43,-1137.78 1714.21,-1129 v2(1718,-1129) ; U2.1@1645,-1137.78 1644.65,-1137.43 1617.41,-1137.43 C19.2@1578.97,-1098.99 ; Q1.1@1708.82,-594 1702.09,-600.73 R13.2@1702.09,-682.73 1713.82,-694.46 1713.82,-746.03 1725,-757.21 v2(1725,-761) ; U2.64@1725.71,-1057.07 1725.71,-1031.48 1707.98,-1013.75 1666.75,-1013.75 C21.2@1656,-1003 1654.03,-1003 1640.28,-1016.76 1640.28,-1037.69 C19.2@1578.97,-1098.99 ; U2.19@1765.08,-1513.76 1765.08,-1583.92 C22.2@1765,-1584 C24.2@1765,-1649 1766,-1650 v2(1766,-1710) ; LED1.1@1830,-1971.68 1845.47,-1956.2 1886.01,-1956.2 1898.21,-1944 v2(1902,-1944) ; v2(1908,-641) 1943.27,-605.73 1973.66,-605.73 1984.41,-594.98 1984.41,-593.06 1976,-601.46 R16.2@1976,-681 ; U5.19@2005.43,-1788 2005.43,-1852.64 2012,-1859.21 v2(2012,-1863) ; U2.32@2020.98,-1513.76 2020.98,-1539.35 2035.95,-1554.32 2057.32,-1554.32 v2(2060,-1557) 2061.12,-1558.12 2061.12,-1602.13 C18.2@2072.99,-1614 ; U2.48@2101.69,-1137.78 2121.45,-1137.78 2122.28,-1136.94 2122.28,-1101.5 2131,-1092.79 v2(2131,-1089) 2186,-1089 C20.2@2187,-1088 ; C28.1@2142.01,-1704 2142.01,-1702.03 2177.32,-1666.72 2177.32,-1643.68 v2(2180,-1641) ; v2(2186,-1514.96) 2186,-1462.96 C16.1@2189,-1459.96 ; v2(2291,-1385) 2293.68,-1387.68 2293.68,-1411.62 2341.06,-1459 U3.3@2375.51,-1459 ; J9.1@2365,-1019 2366,-1018 2454,-1018 v2(2455,-1017)
  other v2: 1316,-950 1385,-948 1385,-908 1316,-907 1316,-866 1384,-864 1316,-823 1384,-821